# KiCad board E-Fidget.kicad_pcb
title: E-Fidget; date: 2022-8-1; rev: REV1; company: 2231puppy
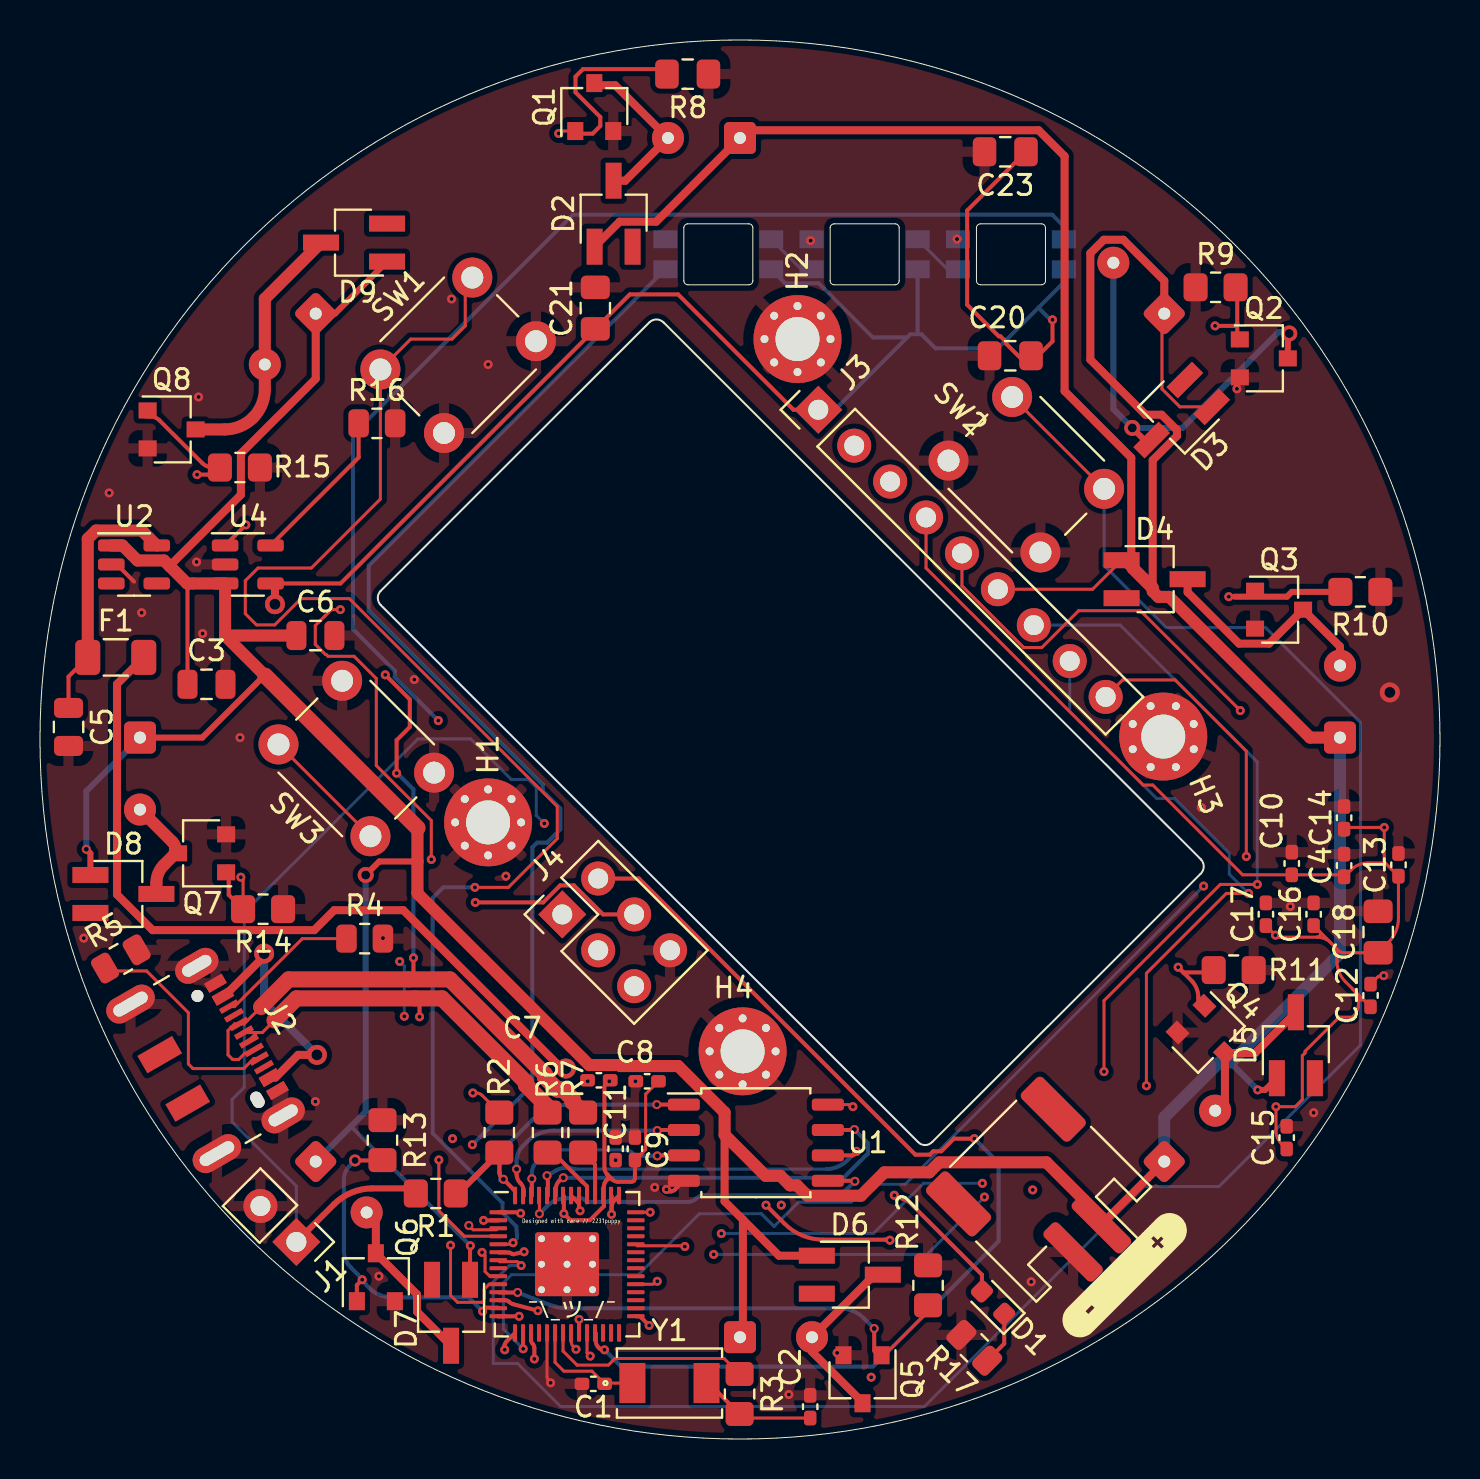
[diagram p0: board, top side]
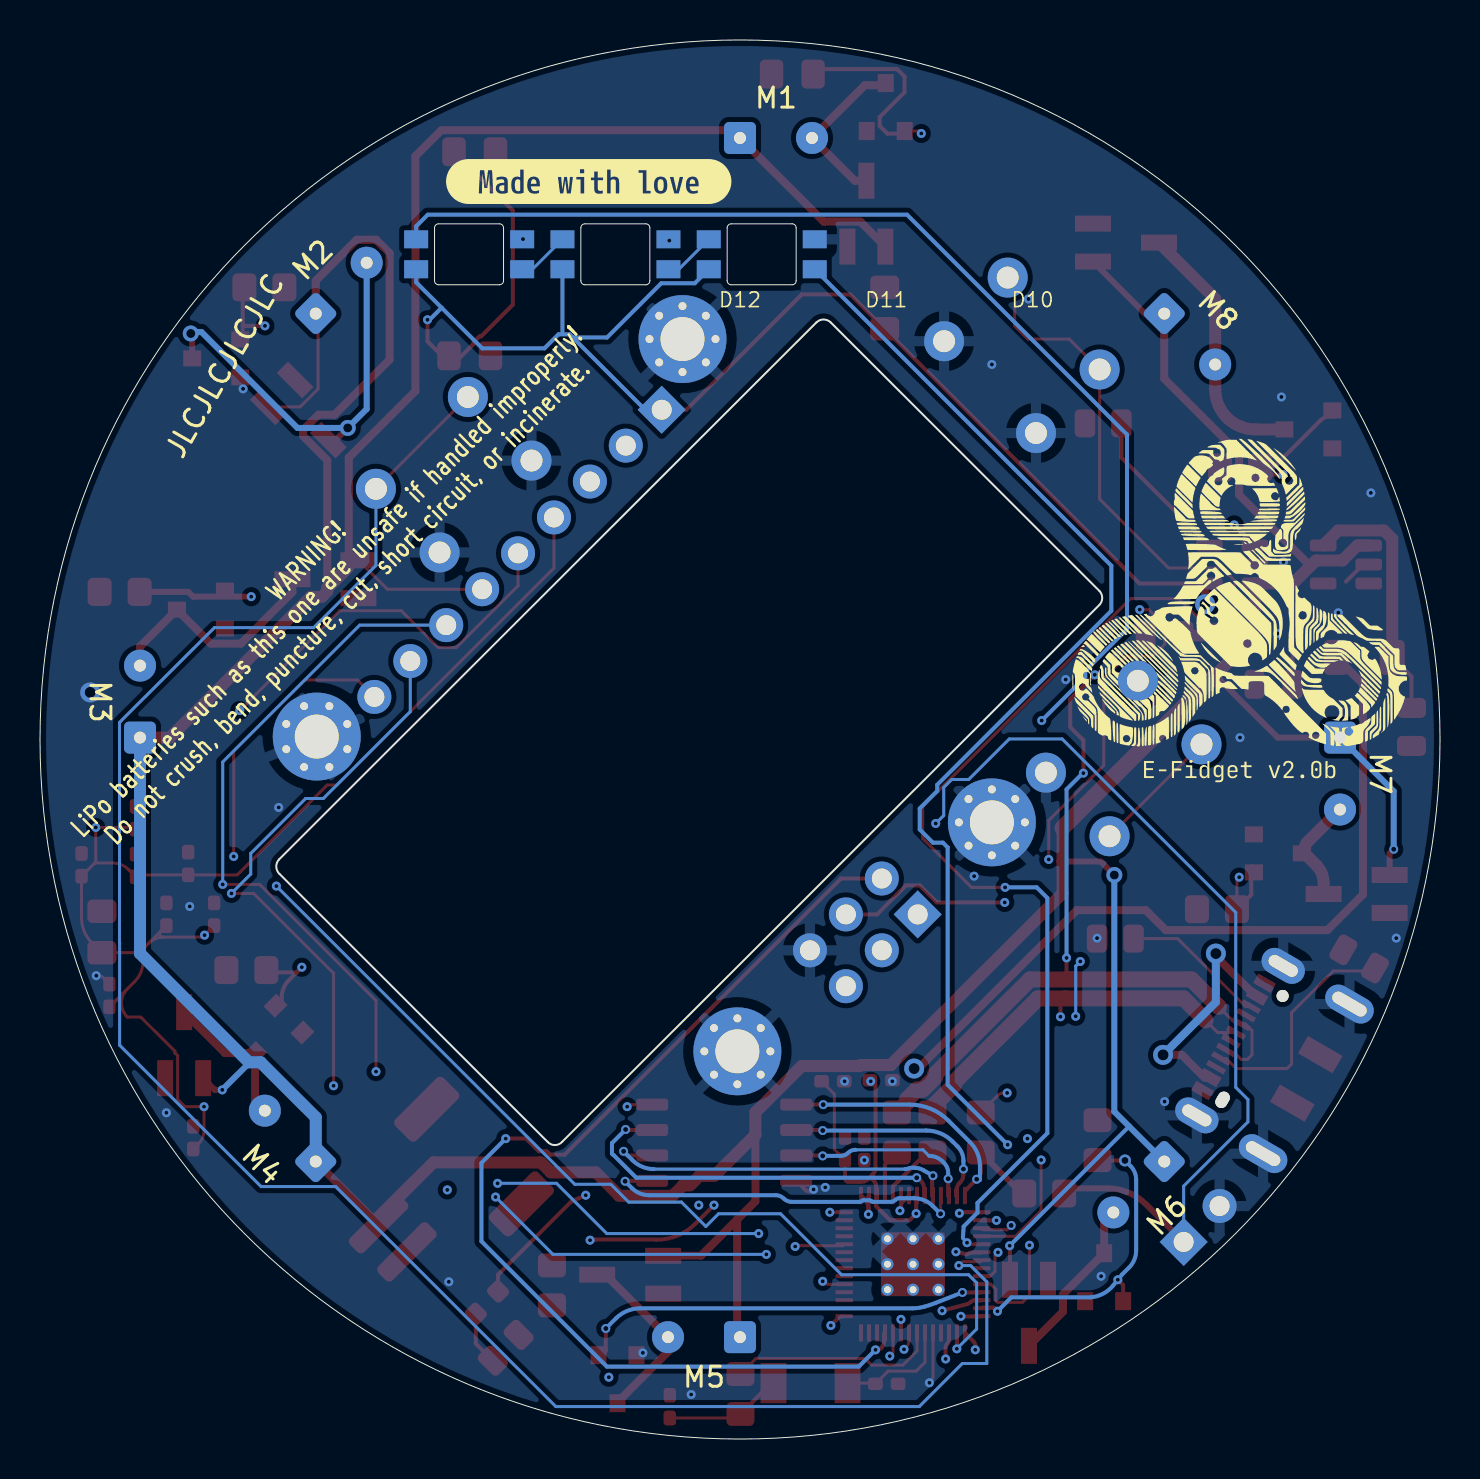
[diagram p1: board, bottom side, seen from below]

Outline 70 x 70 mm; copper layers: Top, In1.Cu, In2.Cu, Bottom. Coordinates in mm from the lower left corner of the outline.
Outline path: circle c35,35 r35 ; 17.03,42.43 30.46,55.87 arc(30.82,56.01) 31.18,55.87 58.05,29 arc(58.19,28.63) 58.02,28.27 44.62,14.87 arc(44.26,14.71) 43.89,14.87 17.04,41.72 arc(16.89,42.08) 17.03,42.43
Stack: Top 0.035mm / dielectric 0.28mm FR4 er 4.5 / In1.Cu 0.035mm / dielectric 0.28mm FR4 er 4.5 / In2.Cu 0.035mm / dielectric 0.28mm FR4 er 4.5 / Bottom 0.035mm

## Placement (name value [footprint] x y rotation side)
BT1  WAFER-PH2.0-2PWB  [JST_PH_S2B-PH-SM4-TB_1x02-1MP_P2.00mm_Horizontal]  50.35 12.08 225 top
C1  27p  [C_0402_1005Metric_Pad0.74x0.62mm_HandSolder]  27.66 2.76 180 top
C2  27p  [C_0402_1005Metric_Pad0.74x0.62mm_HandSolder]  38.51 1.62 90 top
C3  10u  [C_0805_2012Metric]  8.32 37.76 0 top
C4  100n  [C_0402_1005Metric_Pad0.74x0.62mm_HandSolder]  65.21 28.69 90 top
C5  10u  [C_0805_2012Metric]  1.43 35.63 270 top
C6  10u  [C_0805_2012Metric]  13.77 40.2 0 top
C7  100n  [C_0402_1005Metric_Pad0.74x0.62mm_HandSolder]  27.94 17.95 180 top
C8  100n  [C_0402_1005Metric_Pad0.74x0.62mm_HandSolder]  30.36 17.9 180 top
C9  1u  [C_0402_1005Metric_Pad0.74x0.62mm_HandSolder]  29.75 14.52 90 top
C10  100n  [C_0402_1005Metric_Pad0.74x0.62mm_HandSolder]  62.59 28.8 90 top
C11  1u  [C_0402_1005Metric_Pad0.74x0.62mm_HandSolder]  28.78 14.52 90 top
C12  100n  [C_0402_1005Metric_Pad0.74x0.62mm_HandSolder]  66.53 22.19 90 top
C13  100n  [C_0402_1005Metric_Pad0.74x0.62mm_HandSolder]  67.92 28.73 90 top
C14  100n  [C_0402_1005Metric_Pad0.74x0.62mm_HandSolder]  65.21 31.08 90 top
C15  100n  [C_0402_1005Metric_Pad0.74x0.62mm_HandSolder]  62.34 15.08 90 top
C16  100n  [C_0402_1005Metric_Pad0.74x0.62mm_HandSolder]  63.68 26.26 90 top
C17  100n  [C_0402_1005Metric_Pad0.74x0.62mm_HandSolder]  61.29 26.26 90 top
C18  10u  [C_0805_2012Metric_Pad1.18x1.45mm_HandSolder]  66.91 25.37 90 top
C20  1u  [C_0805_2012Metric_Pad1.18x1.45mm_HandSolder]  48.51 54.2 180 top
C21  1u  [C_0805_2012Metric_Pad1.18x1.45mm_HandSolder]  27.77 56.58 90 top
C23  1u  [C_0805_2012Metric_Pad1.18x1.45mm_HandSolder]  48.26 64.41 180 top
D1  IN-S63AT5A  [LED_0603_1608Metric]  47.65 6.83 135 top
D2  BAT54-7-F  [SC-59_Handsoldering_No_Pin3]  28.68 61.31 90 top
D3  BAT54-7-F  [SC-59_Handsoldering_No_Pin3]  56.75 51.15 225 top
D4  BAT54-7-F  [SC-59_Handsoldering_No_Pin3]  55.73 43.02 0 top
D5  BAT54-7-F  [SC-59_Handsoldering_No_Pin3]  62.79 19.7 90 top
D6  BAT54-7-F  [SC-59_Handsoldering_No_Pin3]  40.49 8.22 0 top
D7  BAT54-7-F  [SC-59_Handsoldering_No_Pin3]  20.55 6.32 270 top
D8  BAT54-7-F  [SC-59_Handsoldering_No_Pin3]  4.17 27.27 0 top
D9  BAT54-7-F  [SC-59_Handsoldering_No_Pin3]  15.7 59.86 180 top
D10  DNP  [NEO3535_REVERSE]  33.91 59.28 0 top
D11  DNP  [NEO3535_REVERSE]  41.23 59.28 0 top
D12  DNP  [NEO3535_REVERSE]  48.54 59.28 0 top
F1  0ZCJ0020FF2E  [Fuse_1206_3216Metric]  3.79 39.11 0 top
H1  DNP  [MountingHole_2.2mm_M2_Pad_Via]  22.41 30.85 90 top
H2  DNP  [MountingHole_2.2mm_M2_Pad_Via]  37.88 55.03 90 top
H3  DNP  [MountingHole_2.2mm_M2_Pad_Via]  56.16 35.15 112.5 top
H4  DNP  [MountingHole_2.2mm_M2_Pad_Via]  35.13 19.4 180 top
J1  Conn_01x02  [PinHeader_1x02_P2.54mm_Vertical]  12.82 9.86 225 top
J2  DX07S016JA1R1500  [USB_C_Receptacle_JAE_DX07S016JA1R1500]  7.68 18.6 300 top
J3  Conn_01x09_Female  [PinHeader_1x09_P2.54mm_Vertical]  38.91 51.5 45 top
J4  Conn_01x06_Female  [PinHeader_2x03_P2.54mm_Vertical]  26.11 26.25 45 top
kibuzzard-6387A879  G***  [kibuzzard-6387A879]  26.57 10.89 0 top
kibuzzard-63879D59  G***  [kibuzzard-63879D59]  26.6 6.42 0 top
kibuzzard-6302439D  G***  [kibuzzard-6302439D]  42.56 62.92 180 bottom
kibuzzard-6380080C  G***  [kibuzzard-6380080C]  54.23 8.2 225 top
M1  DNP  [SolderWire-0.1sqmm_1x02_P3.6mm_D0.4mm_OD1mm]  35 65.1 180 bottom
M2  DNP  [SolderWire-0.1sqmm_1x02_P3.6mm_D0.4mm_OD1mm]  56.21 56.31 135 bottom
M3  DNP  [SolderWire-0.1sqmm_1x02_P3.6mm_D0.4mm_OD1mm]  65 35.1 90 bottom
M4  DNP  [SolderWire-0.1sqmm_1x02_P3.6mm_D0.4mm_OD1mm]  56.21 13.88 45 bottom
M5  DNP  [SolderWire-0.1sqmm_1x02_P3.6mm_D0.4mm_OD1mm]  35 5.1 0 bottom
M6  DNP  [SolderWire-0.1sqmm_1x02_P3.6mm_D0.4mm_OD1mm]  13.79 13.88 315 bottom
M7  DNP  [SolderWire-0.1sqmm_1x02_P3.6mm_D0.4mm_OD1mm]  5 35.1 270 bottom
M8  DNP  [SolderWire-0.1sqmm_1x02_P3.6mm_D0.4mm_OD1mm]  13.79 56.31 225 bottom
Q1  DMG2302UK-7  [SC-59]  27.72 66.64 90 top
Q2  DMG2302UK-7  [SC-59]  61.19 54.07 0 top
Q3  DMG2302UK-7  [SC-59]  61.95 41.5 0 top
Q4  DMG2302UK-7  [SC-59]  58.4 20.16 315 top
Q5  DMG2302UK-7  [SC-59]  41.13 2.99 270 top
Q6  DMG2302UK-7  [SC-59]  16.79 8.1 90 top
Q7  DMG2302UK-7  [SC-59]  8.11 29.3 180 top
Q8  DMG2302UK-7  [SC-59]  6.58 50.51 0 top
R1  1k  [R_0805_2012Metric_Pad1.20x1.40mm_HandSolder]  19.79 12.29 180 top
R2  DNP  [R_0805_2012Metric_Pad1.20x1.40mm_HandSolder]  22.97 15.33 270 top
R3  1k  [R_0805_2012Metric_Pad1.20x1.40mm_HandSolder]  34.98 2.25 270 top
R4  5.1k  [R_0805_2012Metric]  16.23 25.04 0 top
R5  5.1k  [R_0805_2012Metric]  4.04 24.02 30 top
R6  27  [R_0805_2012Metric_Pad1.20x1.40mm_HandSolder]  25.38 15.33 270 top
R7  27  [R_0805_2012Metric_Pad1.20x1.40mm_HandSolder]  27.16 15.33 270 top
R8  10k  [C_0805_2012Metric_Pad1.18x1.45mm_HandSolder]  32.38 68.29 180 top
R9  10k  [R_0805_2012Metric_Pad1.20x1.40mm_HandSolder]  58.78 57.63 0 top
R10  10k  [R_0805_2012Metric_Pad1.20x1.40mm_HandSolder]  66.02 42.39 180 top
R11  10k  [R_0805_2012Metric_Pad1.20x1.40mm_HandSolder]  59.68 23.46 180 top
R12  10k  [R_0805_2012Metric_Pad1.20x1.40mm_HandSolder]  44.4 7.69 270 top
R13  10k  [R_0805_2012Metric_Pad1.20x1.40mm_HandSolder]  17.12 14.95 270 top
R14  10k  [R_0805_2012Metric_Pad1.20x1.40mm_HandSolder]  11.15 26.51 180 top
R15  10k  [R_0805_2012Metric_Pad1.20x1.40mm_HandSolder]  10 48.61 180 top
R16  5.1k  [R_0805_2012Metric]  16.84 50.82 0 top
R17  5.1k  [R_0805_2012Metric]  46.71 4.56 135 top
SW1  K2-1102DP-E4SW-04  [SW_PUSH_6mm]  17.02 53.51 45 top
SW2  K2-1102DP-E4SW-04  [SW_PUSH_6mm]  48.61 52.14 315 top
SW3  K2-1102DP-E4SW-04  [SW_PUSH_6mm]  16.52 30.16 135 top
U1  W25Q16JVSSIQ  [SOIC-8_5.23x5.23mm_P1.27mm]  35.79 14.83 0 top
U2  TPAP2112K-3.3TRG1  [SOT-23-5]  4.7 43.76 0 top
U3  RP2040  [RP2040-QFN-56]  26.35 8.75 0 top
U4  MCP73831T-2ACI/OT  [SOT-23-5]  10.39 43.76 0 top
Y1  445C25D12M00000  [445I23D12M00000]  31.47 2.8 0 top

## Library data of the parts
Y1 = -: Field4: *; Field5: 0.146in/3.705mm; Field6: 0.079in/2.007mm; Field7: 0.026in/0.65mm; Field8: Copyright 2021 Accelerated Designs. All rights reserved.; Field9: 0.051in/1.295mm; Field10: *

## Footprints (pads in the part's own frame, mm; a bottom-side part is the same pattern mirrored in y, then rotated)
445I23D12M00000
  rect 1.295x2.007 smd: 1(-1.852,0) 2(1.852,0)
C_0402_1005Metric_Pad0.74x0.62mm_HandSolder
  rrect 0.735x0.62 smd: 1(-0.568,0) 2(0.568,0)
C_0805_2012Metric
  rrect 1x1.45 smd: 1(-0.95,0) 2(0.95,0)
C_0805_2012Metric_Pad1.18x1.45mm_HandSolder
  rrect 1.175x1.45 smd: 1(-1.038,0) 2(1.038,0)
Fuse_1206_3216Metric
  rrect 1.25x1.75 smd: 1(-1.4,0) 2(1.4,0)
JST_PH_S2B-PH-SM4-TB_1x02-1MP_P2.00mm_Horizontal
  rrect 1x3.5 smd: 1(-1,2.85) 2(1,2.85)
  rrect 1.5x3.4 smd: GND(-3.35,-2.9) GND(3.35,-2.9)
LED_0603_1608Metric
  rrect 0.875x0.95 smd: 1(-0.788,0) 2(0.788,0)
MountingHole_2.2mm_M2_Pad_Via
  round 0.7 hole 0.4: 1(-1.65,0) 1(-1.167,1.167) 1(-1.167,-1.167) 1(0,1.65) 1(0,-1.65) 1(1.167,1.167) 1(1.167,-1.167) 1(1.65,0)
  round 4.4 hole 2.2: 1(0,0)
NEO3535_REVERSE
  rect 1.2x0.9 smd far side: 1-VDD(2.65,-0.75) 2-DOUT(2.65,0.75) 3-GND(-2.65,0.75) 4-DIN(-2.65,-0.75)
PinHeader_1x02_P2.54mm_Vertical
  rect 1.7x1.7 hole 1: 1(0,0)
  oval 1.7x1.7 hole 1: 2(0,-2.54)
PinHeader_1x09_P2.54mm_Vertical
  rect 1.7x1.7 hole 1: 1(0,0)
  oval 1.7x1.7 hole 1: 2(0,-2.54) 3(0,-5.08) 4(0,-7.62) 5(0,-10.16) 6(0,-12.7) 7(0,-15.24) 8(0,-17.78) 9(0,-20.32)
PinHeader_2x03_P2.54mm_Vertical
  rect 1.7x1.7 hole 1: 1(0,0)
  oval 1.7x1.7 hole 1: 2(2.54,0) 3(0,-2.54) 4(2.54,-2.54) 5(0,-5.08) 6(2.54,-5.08)
R_0805_2012Metric
  rrect 1.025x1.4 smd: 1(-0.912,0) 2(0.912,0)
R_0805_2012Metric_Pad1.20x1.40mm_HandSolder
  rrect 1.2x1.4 smd: 1(-1,0) 2(1,0)
RP2040-QFN-56
  rrect 1.084x1.084 smd: (-0.637,0.637) (-0.637,-0.637) (0.637,0.637) (0.637,-0.637)
  rrect 0.875x0.2 smd: 1(-3.438,2.6) 2(-3.438,2.2) 3(-3.438,1.8) 4(-3.438,1.4) 5(-3.438,1) 6(-3.438,0.6) 7(-3.438,0.2) 8(-3.438,-0.2) 9(-3.438,-0.6) 10(-3.438,-1) 11(-3.438,-1.4) 12(-3.438,-1.8) 13(-3.438,-2.2) 14(-3.438,-2.6) 29(3.438,-2.6) 30(3.438,-2.2) 31(3.438,-1.8) 32(3.438,-1.4) 33(3.438,-1) 34(3.438,-0.6) 35(3.438,-0.2) 36(3.438,0.2) 37(3.438,0.6) 38(3.438,1) 39(3.438,1.4) 40(3.438,1.8) 41(3.438,2.2) 42(3.438,2.6)
  rrect 0.2x0.875 smd: 15(-2.6,-3.438) 16(-2.2,-3.438) 17(-1.8,-3.438) 18(-1.4,-3.438) 19(-1,-3.438) 20(-0.6,-3.438) 21(-0.2,-3.438) 22(0.2,-3.438) 23(0.6,-3.438) 24(1,-3.438) 25(1.4,-3.438) 26(1.8,-3.438) 27(2.2,-3.438) 28(2.6,-3.438) 43(2.6,3.438) 44(2.2,3.438) 45(1.8,3.438) 46(1.4,3.438) 47(1,3.438) 48(0.6,3.438) 49(0.2,3.438) 50(-0.2,3.438) 51(-0.6,3.438) 52(-1,3.438) 53(-1.4,3.438) 54(-1.8,3.438) 55(-2.2,3.438) 56(-2.6,3.438)
  round 0.6 hole 0.35: 57(-1.275,1.275) 57(-1.275,0) 57(-1.275,-1.275) 57(0,1.275) 57(0,0) 57(0,-1.275) 57(1.275,1.275) 57(1.275,0) 57(1.275,-1.275)
  rrect 3.2x3.2 smd: 57(0,0)
SC-59
  rect 0.9x0.8 smd: 1(-1.2,0.95) 2(-1.2,-0.95) 3(1.2,0)
SC-59_Handsoldering_No_Pin3
  rect 1.8x0.8 smd: (-1.65,-0.95) 1(-1.65,0.95) 2(1.65,0)
SOIC-8_5.23x5.23mm_P1.27mm
  rrect 1.6x0.6 smd: 1(-3.6,1.905) 2(-3.6,0.635) 3(-3.6,-0.635) 4(-3.6,-1.905) 5(3.6,-1.905) 6(3.6,-0.635) 7(3.6,0.635) 8(3.6,1.905)
SolderWire-0.1sqmm_1x02_P3.6mm_D0.4mm_OD1mm
  rrect 1.6x1.6 hole 0.6: 1(0,0)
  round 1.6 hole 0.6: 2(3.6,0)
SOT-23-5
  rrect 1.325x0.6 smd: 1(-1.137,0.95) 2(-1.137,0) 3(-1.137,-0.95) 4(1.137,-0.95) 5(1.137,0.95)
SW_PUSH_6mm
  round 2 hole 1.1: 1(0,0) 1(6.5,0) 2(0,-4.5) 2(6.5,-4.5)
USB_C_Receptacle_JAE_DX07S016JA1R1500
  round 0.6 hole 0.6 unplated: (-3,1.95)
  rect 1x2 smd: (-1.4,-1.15) (1.4,-1.15)
  oval 0.85x0.6 hole 0.85x0.6 unplated: (3,1.95)
  rect 0.52x1 smd: A1(-3.1,3.05) A4(-2.35,3.05) A9(2.35,3.05) A12(3.1,3.05) B1(3.1,3.05) B4(2.35,3.05) B9(-2.35,3.05) B12(-3.1,3.05)
  rect 0.27x1 smd: A5(-1.75,3.05) A6(-0.25,3.05) A7(0.75,3.05) A8(1.75,3.05) B5(1.25,3.05) B6(0.25,3.05) B7(-0.75,3.05) B8(-1.25,3.05)
  oval 1.3x2.3 hole 0.6x1.6: S1(-4.32,2.675) S1(4.32,2.675)
  oval 1.3x2.6 hole 0.6x1.9: S1(-4.32,-1.15) S1(4.32,-1.15)

## Nets
+1V1: C7.1 C8.1 C9.1 J4.3 U3.23 U3.45 U3.50
+3V3: C4.1 C10.1 C11.1 C12.1 C13.1 C14.1 C15.1 C16.1 C17.1 C18.1 F1.2 J3.4 R2.1 U1.8 U3.1 U3.10 U3.22 U3.33 U3.42 U3.43 U3.44 U3.48 U3.49
+5V: C20.1 C21.1 C23.1 D10.1-VDD D11.1-VDD D12.1-VDD J2.A4 J2.A9 J2.B4 J2.B9 J3.1 U4.4
GND: BT1.2 C1.2 C2.2 C3.2 C4.2 C5.2 C6.2 C7.2 C8.2 C9.2 C10.2 C11.2 C12.2 C13.2 C14.2 C15.2 C16.2 C17.2 C18.2 C20.2 C21.2 C23.2 D10.3-GND D11.3-GND D12.3-GND H1.1 H2.1 H3.1 H4.1 J1.2 J2.A1 J2.A12 J2.B1 J2.B12 J2.S1 J4.6 Q1.2 Q2.2 Q3.2 Q4.2 Q5.2 Q6.2 Q7.2 Q8.2 R4.2 R5.2 R8.1 R9.1 R10.1 R11.1 R12.1 R13.1 R14.1 R15.1 R16.2 R17.2 SW1.2 SW2.2 SW3.2 U1.4 U2.2 U3.19 U3.57 U4.2
+BATT: BT1.1 C3.1 C6.1 D2.1 D3.1 D4.1 D5.1 D6.1 D7.1 D8.1 D9.1 J3.6 M1.1 M2.1 M3.1 M4.1 M5.1 M6.1 M7.1 M8.1 U2.1 U4.3
/GPIO0: J3.7 U3.2
/GPIO1: J3.8 U3.3
/GPIO2: J4.4 U3.4
/GPIO3: SW1.1 U3.5
/GPIO4: SW3.1 U3.6
/GPIO5: SW2.1 U3.7
/GPIO6: U3.8
/GPIO7: Q1.1 R8.2 U3.9
/GPIO8: Q5.1 R12.2 U3.11
/GPIO9: Q4.1 R11.2 U3.12
/GPIO10: Q6.1 R13.2 U3.13
/GPIO11: Q2.1 R9.2 U3.14
/GPIO12: Q7.1 R14.2 U3.15
/GPIO13: Q3.1 R10.2 U3.16
/GPIO14: Q8.1 R15.2 U3.17
/GPIO15: U3.18
/GPIO16: U3.27
/GPIO17: U3.28
/GPIO18: D10.4-DIN U3.29
/GPIO19: U3.30
/GPIO20: U3.31
/GPIO21: U3.32
/GPIO22: U3.34
/GPIO23: U3.35
/GPIO24: U3.36
/GPIO25: U3.37
/GPIO26_ADC0: J3.9 U3.38
/GPIO27_ADC1: U3.39
/GPIO28_ADC2: U3.40
/GPIO29_ADC3: U3.41
/PIXEL_OUT: D12.2-DOUT J4.1
/QSPI_SCLK: U1.6 U3.52
/QSPI_SD0: U1.5 U3.53
/QSPI_SD1: U1.2 U3.55
/QSPI_SD2: U1.3 U3.54
/QSPI_SD3: U1.7 U3.51
/QSPI_SS: R1.1 R2.2 U1.1 U3.56
/SWCLK: J3.5 U3.24
/SWD: J4.2 U3.25
/USB_D+: J2.A6 J2.B6 J3.2 R6.1
/USB_D-: J2.A7 J2.B7 J3.3 R7.1
/XIN: C1.1 U3.20 Y1.1
/XOUT: R3.1 U3.21
/~{USB_BOOT}: J1.1 J4.5 R1.2
Net-(C2-Pad1): C2.1 R3.2 Y1.2
Net-(C5-Pad1): C5.1 F1.1 U2.5
Net-(D1-Pad1): D1.1 R17.1
Net-(D1-Pad2): D1.2 U4.1
Net-(D2-Pad2): D2.2 M1.2 Q1.3
Net-(D3-Pad2): D3.2 M2.2 Q2.3
Net-(D4-Pad2): D4.2 M3.2 Q3.3
Net-(D5-Pad2): D5.2 M4.2 Q4.3
Net-(D6-Pad2): D6.2 M5.2 Q5.3
Net-(D7-Pad2): D7.2 M6.2 Q6.3
Net-(D8-Pad2): D8.2 M7.2 Q7.3
Net-(D9-Pad2): D9.2 M8.2 Q8.3
Net-(D10-Pad2-DOUT): D10.2-DOUT D11.4-DIN
Net-(D11-Pad2-DOUT): D11.2-DOUT D12.4-DIN
Net-(J2-PadA5): J2.A5 R4.1
Net-(J2-PadB5): J2.B5 R5.1
Net-(R6-Pad2): R6.2 U3.47
Net-(R7-Pad2): R7.2 U3.46
Net-(R16-Pad1): R16.1 U4.5

Pads without a net: BT1 GND; J2 A8 B8; U2 3 4; U3 26

## Via types
v1: diameter 1, hole 0.55, Top to Bottom, 5 vias
v2: diameter 0.45, hole 0.2, Top to Bottom, 104 vias
v3: diameter 0.8, hole 0.45, Top to Bottom, 3 vias
v4: diameter 0.45, hole 0.25, Top to Bottom, 16 vias
v5: diameter 0.6, hole 0.35, Top to Bottom, 1 via

## Routing (per net, layer and track width the routed paths; a pad name or vN(x,y) marks a point on that pad's centre or on a via; arc(x,y) is an arc through that point)
+1V1: length 30.4
  Top w0.15: C9.1 30.28,14.49 30.28,17.26 C8.1
  Top w0.2: U3.23 26.95,5.93 arc(26.95,5.94) 26.95,5.94 v2(26.95,5.99) ; 28.22,17.66 28.22,13.57 arc(28.26,13.39) 28.36,13.25 28.37,13.23 ; 28.37,12.99 28.34,12.96 28.3,12.92 28.23,12.8 28.2,12.67 28.2,11.65 27.49,10.95 26.52,10.95 v2(26.19,11.28) 26.19,12.17 ; 28.37,12.99 arc(28.42,13.11) 28.37,13.23 ; 28.37,12.99 arc(28.49,13.04) 28.61,12.99 ; 28.61,12.99 28.37,13.23 ; 28.61,12.99 arc(28.74,12.9) 28.9,12.87 29.57,12.87 arc(29.64,12.88) 29.7,12.92 arc(29.73,12.98) 29.75,13.04 29.75,13.56 arc(29.82,13.92) 30.03,14.23
  In2.Cu w0.2: v2(28.46,17.9) 27.91,18.45 J4.3 ; v2(26.95,5.99) 26.95,6.01 arc(26.94,6.05) 26.92,6.07 25.8,7.19 25.8,10.42 arc(25.83,10.76) 25.92,11.08 26.12,11.28 v2(26.19,11.28)
+3V3: length 131
  Top w0.15: v2(20.53,9.7) 20.53,7.19 20.88,6.84 22.13,6.84 22.21,6.93 22.21,7.5 22.46,7.75 U3.10 ; C15.1 62.07,14.78 arc(61.87,15.08) 61.8,15.43 v2(61.8,16.63) 62.76,16.63 63.12,16.99 63.12,19.18 63.26,19.32 63.26,19.41 64.96,21.11 65.63,21.11 65.7,21.18 65.81,21.34 65.88,21.52 65.92,21.71 65.93,21.81 ; 63.97,25.4 C16.1 ; 63.97,25.4 64.55,24.82 ; 63.97,25.4 arc(64.01,25.21) 63.85,25.11 ; 64.85,24.39 64.85,23.92 arc(64.96,23.35) 65.28,22.87 65.63,22.52 ; 64.85,24.39 arc(64.82,24.51) 64.75,24.62 ; 64.85,24.39 arc(64.88,24.44) 64.94,24.43 ; 65.29,30.6 v2(67.21,30.6) 67.21,28.91 arc(67.22,28.88) 67.24,28.85 ; 64.55,24.82 64.75,24.62 ; 64.55,24.82 arc(64.23,25.03) 63.85,25.11 ; v2(26.8,4.49) 26.68,4.61 arc(26.58,4.75) 26.55,4.91 U3.22 ; 64.94,24.43 64.75,24.62 ; 64.94,24.43 arc(65.05,24.36) 65.18,24.33 66.19,24.33 arc(66.85,24.46) 67.42,24.84 arc(67.79,25.4) 67.92,26.06 67.92,27.69 arc(67.84,28.13) 67.59,28.49 67.29,28.8 ; 65.63,22.52 66.22,21.93 ; 65.63,22.52 arc(65.85,22.19) 65.93,21.81 ; 66.22,21.93 C12.1 ; 66.22,21.93 arc(66.03,21.97) 65.93,21.81 ; 67.23,28.82 66.39,28.82 arc(65.94,28.73) 65.55,28.47 65.26,28.18 arc(65.21,28.16) 65.15,28.18 arc(65.1,28.22) 65.03,28.23 C10.1 60.13,28.23 55.64,32.72 55.16,32.72 44.3,43.58 J3.4 ; 67.23,28.82 arc(67.24,28.83) 67.24,28.85 ; 67.23,28.82 arc(67.26,28.82) 67.29,28.8 ; 67.29,28.8 67.24,28.85 ; U3.33 30.62,7.75 arc(30.71,7.77) 30.79,7.82 v2(30.86,7.89) ; 63.85,25.11 61.95,25.11 arc(61.88,25.12) 61.82,25.16 v2(61.77,25.21) C17.1 ; U1.8 40.75,16.73 ; v2(21.64,17.32) 21.81,17.32 arc(21.97,17.28) 22.1,17.2 R2.1 ; U3.42 30.61,11.35
  Top w0.2: v2(24.03,11.3) 23.98,11.35 U3.1 ; U3.49 26.88,11.86 arc(26.92,11.8) 26.95,11.73 26.95,11.47 ; U3.43 28.77,12 arc(28.63,11.79) 28.58,11.55 v2(28.58,11.25) 28.58,12.14 arc(28.58,12.16) 28.57,12.17 U3.44 ; U3.48 26.95,11.47 ; 26.95,11.47 v2(27,11.42) 26.95,11.47
  Top w0.4: F1.2 3.85,37.77 3.85,27.24 5.63,25.46 13.71,25.46 14.71,26.46 18.16,26.46 26.09,18.54 v1(26.29,18.54)
  In1.Cu w0.15: v2(24.03,11.3) 24.03,11.63 23.46,12.2 21.31,12.2 20.96,11.85 20.96,10.13 v2(20.53,9.7) 20.63,9.8 v2(20.63,15.03)
  vias: v2(28.78,13.95) v2(30.51,11.35) v2(40.64,16.63)
+5V: length 111.5
  Top w0.2: v2(50.63,56) 50.63,54.92 49.55,53.85 49.26,53.85 48.31,54.8 48.31,54.88 48.02,55.17 47.94,55.17 46.36,56.75 46.36,61.46 C23.1 ; J3.1 37.68,51.5 31.91,57.27 29.49,57.27 C21.1 15.03,42.81 U4.4
  Top w0.4: U4.4 11.75,42.59 v1(11.75,41.77) ; J2.A9 11.77,18.09 12.91,19.22 v1(13.85,19.22) ; v1(11.21,24.29) 11.21,24.15 9.21,22.16 J2.A4
  In1.Cu w0.4: v1(11.75,41.77) 10.58,40.6 10.58,34.2 10.61,34.16 10.61,24.88 v1(11.21,24.29)
  Bottom w0.2: 43.36,55.11 41.65,55.11 38.94,57.83 37.26,57.83 D10.1-VDD ; 43.36,55.11 39.74,51.5 J3.1 ; 43.36,55.11 43.52,55.27 44.08,55.27 44.78,54.57 47.89,54.57 49.92,56.6 ; D11.1-VDD 43.88,55.37 ; v2(50.63,56) 50.52,56 49.92,56.6 ; 49.92,56.6 51.19,57.88 D12.1-VDD
  Bottom w0.4: v1(13.85,19.22) 11.21,21.86 v1(11.21,24.29)
GND: length 6
  Top w0.15: U3.19 25.35,3.12 arc(25.38,3) 25.44,2.9 v2(25.53,2.81) ; v2(67.19,23.18) 67.07,23.18 arc(66.96,23.16) 66.87,23.1 C12.2
  Top w0.2: v2(31.32,12.49) 31.42,12.39 31.56,12.39 arc(31.67,12.42) 31.76,12.49 U1.4 ; U2.2 3.84,43.76 4.7,42.9
  vias: v1(67.49,37.36) v2(2.19,25.06) v2(3.46,47.34) v2(5.08,41.34) v2(7.83,43.88) v2(7.93,52.14) v2(8.13,40.3) v2(10,35.1) v2(13.77,16.88) v2(16.95,8.15) v2(17.15,25.06) v2(18.71,38) v2(20.58,57.04) v2(22.41,53.76) v2(23.3,28.16) v2(27.38,17.9) v2(29.77,17.9) v2(30.74,12.59) v2(37.44,2.23) v2(38.54,59.96) v2(39.86,4.31) v2(45.85,60.04) v2(49.56,7.87) v2(58.06,31.6) v2(59.85,52.55) v2(62.51,26.65) v2(63.68,16.33)
+BATT: length 294.8
  Top w0.15: D3.1 56.99,51.64 56.1,52.54 56.1,56.11 arc(56.11,56.19) 56.16,56.25 M2.1 ; J3.6 52.63,42.52 D4.1
  Top w0.2: v2(21.52,9.67) 21.5,9.66 D7.1 ; 7.66,42.81 7.37,42.52 C3.1
  Top w0.3: D5.1 61.26,17.47 v2(60.89,17.47) ; v3(16.29,28.22) 16.96,28.9 18.88,28.9 ; M7.1 8.11,35.1 11.21,38.19 11.26,38.19 ; v4(2.32,29.51) 2.52,29.3 2.52,28.22 ; D9.1 14.75,56.31 M8.1
  Top w0.4: D6.1 36.95,9.17 35.14,10.98 ; BT1.1 53.11,10.78 M4.1 ; 34.23,15.22 34.23,11.89 35.14,10.98 ; 35.14,10.98 35.14,5.24 M5.1 ; 55.91,42.14 54.56,43.49 54.56,49.1 51.23,52.43 51.23,64.18 49.93,65.48 35.39,65.48 M1.1 30.81,60.91 28.98,60.91 D2.1 ; M8.1 13.79,53.05 10.05,49.31 10.05,47.25 6.48,43.68 ; M2.1 56.21,57.96 54.17,60 53.19,60 52.52,59.33 52.52,54.01 55.27,51.25 56.08,51.25 56.85,50.48 56.85,50.19 55.64,48.98 55.64,42.42
  Top w0.6: 9.25,40.2 U4.3 7.35,42.81 6.2,43.96 4.88,43.96 4.13,44.71 U2.1 ; 9.25,40.2 9.26,40.2 C6.1 ; 9.25,40.2 11.26,38.19 ; D4.1 54.27,43.97 55.64,42.6 55.64,42.42 55.91,42.14 56.46,42.14 63.5,35.1 M3.1 ; 18.88,30.57 18.88,27.3 27.46,18.71 28.97,18.71 29.03,18.66 31.91,18.66 34.23,16.34 34.23,15.22 36.28,13.17 37.03,13.17 37.5,12.69 37.85,12.69 38.37,12.17 41.05,12.17 42.22,13.34 44.47,13.34 44.97,13.84 50.32,13.84 53.07,11.1 BT1.1
  Top w0.8: 11.26,38.19 18.88,30.57
  Bottom w0.2: v2(21.52,9.67) 15.55,15.64
  Bottom w0.3: v3(16.29,28.22) 16.29,16.38 M6.1 ; v2(60.89,17.47) 59.56,18.8 59.56,18.85 ; v4(2.32,29.51) 2.32,32.41 M7.1
  Bottom w0.6: M4.1 56.21,16.1 58.97,18.85 59.56,18.85 65,24.3 M3.1
/GPIO0: length 70.8
  Top w0.15: v2(60.86,27.75) 59.01,27.75 53.2,21.93 v2(53.2,18.38)
  Top w0.2: v2(22.18,10.94) 22.95,10.94
  In1.Cu w0.15: v2(22.18,10.94) 23.63,10.94 23.91,10.66 28.02,10.66 28.86,9.82 30.08,9.82 30.69,9.21 32.08,9.21 32.26,9.04 32.82,9.04 v2(34.07,10.28) ; v2(47.12,12.79) 47.25,12.92 48.7,12.92 53.2,17.43 v2(53.2,18.38)
  Bottom w0.15: v2(60.86,27.75) 60.86,33.87 54.02,40.72 J3.7 ; v2(34.07,10.28) 41.66,10.28 44.17,12.79 v2(47.12,12.79)
/GPIO1: length 68.8
  Top w0.15: 22.84,10.47 21.66,10.47 v4(21.44,10.69) ; v2(60.43,27.3) 59.31,27.3 55.32,23.31 v2(55.32,17.68)
  In1.Cu w0.15: v4(21.44,10.69) 21.77,10.36 23.85,10.36 24.71,9.5 28.5,9.5 29.26,8.74 33.18,8.74 v2(33.68,9.24) ; v2(55.32,17.68) 55.32,16.76 54.88,16.32 52.75,16.32 49.2,12.77 49.05,12.77 48.16,11.88 47.45,11.88 v2(47.22,12.11)
  Bottom w0.15: v2(47.22,12.11) 44.35,9.24 v2(33.68,9.24) ; J3.8 51.49,36.39 55.83,32.05 56.71,32.05 59.46,29.3 59.46,28.26 v2(60.43,27.3)
/GPIO2: length 29.6
  Top w0.15: U3.4 21.22,10.15 19.94,11.42 v2(19.94,13.96)
  Top w0.2: J4.4 28.15,26.25 26.7,27.7 26.01,27.7 25.16,26.85 v2(21.76,26.85)
  In2.Cu w0.15: v2(19.94,13.96) 19.94,26.7 20.09,26.85 v2(21.76,26.85)
/GPIO3: length 73.9
  Top w0.15: SW1.1 21.26,57.76 21.26,55.7 20.6,55.03 18.54,55.03 SW1.1 17.02,47.03 13.57,43.58 10.9,43.58 10.27,42.94 10.27,41.29 10.82,40.73 11.74,40.73 13.05,42.05 15.46,42.05 25.86,31.65 25.86,30.04 23.42,27.6 v2(21.75,27.6) ; U3.5 23.57,9.75 v2(23.65,9.82)
  Bottom w0.15: v2(23.65,9.82) 23.85,10.03 23.85,10.1
  Bottom w0.2: 23.85,10.1 23.82,10.64 23.13,11.33 23.13,11.81 19.63,15.3 19.63,27.07 20.16,27.6 v2(21.75,27.6)
/GPIO4: length 35
  Top w0.15: SW3.1 SW3.1
  Top w0.2: v2(24.2,9.37) 23.68,9.25 arc(23.62,9.25) 23.57,9.28 arc(23.52,9.32) 23.46,9.33 22.96,9.33
  In2.Cu w0.15: SW3.1 19.67,30.16 21.53,28.3 22.41,28.3 22.69,28.03 22.69,27.8
  In2.Cu w0.2: 22.69,27.8 22.69,9.7 23.22,9.16 23.98,9.16 v2(24.2,9.37)
/GPIO5: length 101.4
  Top w0.15: U3.7 22.99,8.87 23.87,8.87 v2(24.06,8.68) ; SW2.1 SW2.1
  Bottom w0.15: SW2.1 53.2,43.71 56.31,40.6 61.28,40.6 66.02,35.85 66.02,24.84 66.02,24.83 66.02,19.7 58.95,12.63 55.21,12.63 44.21,1.63 26.04,1.63 23.89,3.78 22.66,3.78 22.66,7.87 23.47,8.68 v2(24.06,8.68)
/GPIO7: length 77.5
  Top w0.15: Q1.1 26.06,65.44 v2(25.94,65.32) ; U3.9 22.49,8.15 22.25,8.38 22.25,9.19 v2(22.1,9.34)
  Top w0.2: R8.2 31.1,68.54 27.15,68.54 26.78,68.17 26.78,67.38 28.02,66.14 28.02,65.7 27.63,65.31 27.07,65.31
  In1.Cu w0.15: v2(17.99,23.89) 17.99,32.48 13.86,36.6 13.86,53.25 v2(25.94,65.32) ; v2(22.1,9.34) 21.86,9.1 20.13,9.1 19.54,9.7 19.54,13.35 18.22,14.67 v2(18.22,21.15)
  Bottom w0.15: v2(17.99,23.89) 18.22,23.67 v2(18.22,21.15)
/GPIO8: length 24.2
  Top w0.15: 41.78,4.32 42.33,4.32 44.4,6.39 R12.2
  Top w0.2: v4(23.88,7.33) 23.88,7.33 arc(23.88,7.33) 23.87,7.33 22.96,7.33 ; v4(41.71,5.53) 41.71,4.43 arc(41.72,4.39) 41.74,4.35
  Bottom w0.2: v4(41.71,5.53) 41.21,6.04 arc(40.65,6.41) 39.99,6.54 26.38,6.54 arc(26.09,6.56) 25.79,6.62 arc(25.51,6.71) 25.23,6.81 v4(23.88,7.33)
/GPIO9: length 48.5
  Top w0.2: v2(24.9,6.42) 23.66,6.74 arc(23.56,6.79) 23.46,6.86 arc(23.37,6.92) 23.26,6.95 U3.12 ; v2(42.5,9.95) 42.32,9.95 42.29,9.98 arc(42.26,9.98) 42.24,9.98 39.15,9.98 arc(38.11,10.18) 37.23,10.77 v2(36.3,11.7) ; R11.2 58.62,23.4 arc(58.58,23.37) 58.54,23.35 57.19,23.35 57.18,23.34 v2(56.91,23.61) 56.91,23.6 57.62,22.89 arc(57.84,22.51) 57.92,22.08 57.92,21.56
  In1.Cu w0.2: v2(36.3,11.7) 36.3,11.25 36.3,11.14 36.26,10.92 36.17,10.72 36.05,10.54 35.98,10.46 32.88,7.37 32.77,7.26 32.53,7.07 32.27,6.91 32,6.78 31.71,6.68 31.41,6.61 31.11,6.57 30.96,6.57 28.77,6.57 28.56,6.57 28.15,6.63 27.86,6.92 25.4,6.92 v2(24.9,6.42) ; v2(42.5,9.95) 42.5,10.95 43.21,11.66 43.21,12.48 53.27,22.54 arc(54.16,23.13) 55.2,23.34 55.47,23.61 v2(56.91,23.61)
/GPIO10: length 16.5
  Top w0.2: v2(22.13,6.39) 22.31,6.57 22.89,6.57 U3.13 ; v5(15.75,13.94) 17.1,13.94 arc(17.11,13.94) 17.12,13.95 R13.2 ; Q6.1 15.84,7.7 v2(16.11,7.97)
  Bottom w0.2: v2(22.13,6.39) 21.43,7.09 17.45,7.09 arc(16.83,7.28) 16.34,7.69 v2(16.11,7.97) 15.9,8.22 15.55,8.58 arc(15.29,8.97) 15.19,9.44 15.19,12.98 arc(15.27,13.35) 15.47,13.66 v5(15.75,13.94)
/GPIO11: length 80.1
  Top w0.2: 59.86,55.84 59.86,57.48 arc(59.85,57.54) 59.82,57.58 R9.2 ; 59.86,55.84 59.86,55.72 ; 59.86,55.84 arc(59.85,55.79) 59.82,55.74 ; v2(58.75,55.7) 59.72,55.7 arc(59.77,55.71) 59.82,55.74 ; 59.86,55.72 59.86,54.72 ; 59.86,55.72 arc(59.85,55.74) 59.82,55.74 ; U3.14 22.91,6.14 arc(22.91,6.14) 22.91,6.14 v2(23.96,6.14)
  In1.Cu w0.15: 27.84,6.19 27.84,5.51 27.44,5.1 25.91,5.1 25.08,5.93
  In1.Cu w0.2: 27.84,6.19 31.49,6.15 arc(32.53,6.35) 33.41,6.94 36.28,9.81 arc(36.87,10.69) 37.08,11.73 ; v2(23.96,6.14) 24.07,6.03 arc(24.2,5.94) 24.35,5.91 25.04,5.91 arc(25.06,5.92) 25.08,5.93
  In2.Cu w0.2: v2(37.06,11.7) 37.34,11.43 44.56,11.43 49.31,16.18 49.31,17.25 58.75,26.7 v2(58.75,55.7)
/GPIO12: length 34.7
  Top w0.15: R14.2 10.15,28 v2(10.04,28.11)
  Top w0.2: 9.44,28.65 9.44,27.23 R14.2 ; v2(23.24,4.46) 23.22,4.48 23.22,4.67 arc(23.26,4.79) 23.33,4.89 U3.15
  In2.Cu w0.15: v2(23.24,4.46) 23.06,4.64 22.25,4.64 19.38,7.51 19.38,18.77 v2(10.04,28.11)
/GPIO13: length 69.1
  Top w0.2: v2(24.16,4.51) 24.16,4.52 arc(24.15,4.52) 24.15,4.53 U3.16 ; v2(59.44,42.15) 59.74,42.15
  Top w0.3: R10.2 62.59,42.39 62.35,42.15 59.74,42.15
  In1.Cu w0.15: v2(58.18,27.67) 59.56,29.05 59.56,42.02 v2(59.44,42.15)
  Bottom w0.15: v2(24.16,4.51) 23.17,5.5 23.17,7.82 23.57,8.22 24.86,8.22 24.86,8.22 29.92,8.22 32.97,11.27 36.07,11.27 36.71,10.64 37.93,11.85 40.57,11.85 41.46,12.74 43.26,12.74 v2(58.18,27.67)
/GPIO14: length 59.8
  Top w0.2: v2(24.72,4.01) 24.72,4.56 arc(24.7,4.67) 24.64,4.76 arc(24.57,4.86) 24.55,4.96 U3.17 ; 5.25,51.16 5.51,51.16 arc(5.76,51.12) 5.96,50.98 8.1,48.84 arc(8.36,48.67) 8.66,48.61 8.74,48.61 arc(8.84,48.54) 8.82,48.43 arc(8.62,48.3) 8.39,48.25 v2(7.85,48.25)
  In2.Cu w0.2: v2(7.85,48.25) 9.53,46.58 9.53,16.66 22.16,4.02 23,4.02 23.04,3.99 23.43,3.99 23.45,4.01 v2(24.72,4.01)
/GPIO18: length 76.3
  Top w0.2: v2(30.46,5.68) 30.07,6.07 arc(29.99,6.13) 29.89,6.15 U3.29
  In2.Cu w0.2: v2(30.46,5.68) 30,5.23 22.43,5.23 19.92,7.74 19.92,10 21.62,11.7 v2(21.62,14.72)
  Bottom w0.2: v2(21.62,14.72) 24.62,17.72 24.62,29.6 24.86,29.84 25.35,29.84 26.01,30.5 26.01,31.55 25.14,32.42 25.14,32.73 16.43,41.44 16.43,43.7 D10.4-DIN
/GPIO26_ADC0: length 71.6
  Top w0.15: U3.38 29.86,9.67 32.2,9.67 v2(32.24,9.63) ; J3.9 54.13,37.98 56.76,37.98 60.31,34.42 v2(60.31,29.15)
  In1.Cu w0.15: v2(32.24,9.63) 30.82,9.63 30.69,9.77 30.69,10.66 32.34,12.31 37.18,12.31 37.52,11.97 37.52,9.7 37.98,9.24 46.41,9.24 v2(49.64,12.46)
  In2.Cu w0.15: v2(49.64,12.46) 49.64,16.04 52.67,19.08 52.67,19.35 52.48,19.54 52.21,19.54 49.64,16.96 49.64,17.12 59.08,26.56 59.08,27.91 v2(60.31,29.15)
/PIXEL_OUT: length 69.8
  In1.Cu w0.2: J4.1 26.11,30.61 20.78,35.95 v2(19.91,35.95)
  Bottom w0.2: D12.2-DOUT 51.19,60.68 50.61,61.26 26.65,61.26 15.65,50.26 15.65,40.52 17.74,38.43 17.74,38.12 v2(19.91,35.95)
/QSPI_SCLK: length 18.4
  Top w0.2: 25.39,12.17 25.39,12.82 arc(25.39,12.94) 25.37,13.06 v4(25.35,13.18) ; U1.6 40.61,14.19 arc(40.7,14.22) 40.77,14.29 v4(40.82,14.39)
  Bottom w0.15: 26.76,13.51 26.76,13.5 39.3,13.5 39.3,13.51
  Bottom w0.2: v4(25.35,13.18) 25.83,13.45 arc(26.02,13.53) 26.23,13.57 26.34,13.58 arc(26.44,13.57) 26.55,13.54 arc(26.65,13.52) 26.76,13.51 ; v4(40.82,14.39) 40.38,13.95 arc(39.88,13.62) 39.3,13.51
/QSPI_SD0: length 18.7
  Top w0.15: U3.53 24.96,12.17 arc(24.97,12.16) 24.97,12.15 v4(24.97,11.27)
  Top w0.2: U1.5 40.7,12.92 arc(40.72,12.92) 40.73,12.91 v4(40.75,12.9)
  Bottom w0.2: v4(40.75,12.9) 40.4,12.55 arc(40.01,12.29) 39.56,12.2 33.22,12.2 arc(33,12.16) 32.81,12.03 arc(32.63,11.91) 32.41,11.87 29.01,11.87 arc(28.96,11.88) 28.92,11.91 arc(28.87,11.94) 28.82,11.95 28.54,11.95 arc(28.49,11.94) 28.44,11.91 arc(28.4,11.88) 28.35,11.87 27.46,11.87 arc(27.34,11.89) 27.24,11.96 arc(27.14,12.03) 27.02,12.05 26.3,12.05 arc(25.79,11.95) 25.36,11.66 v4(24.97,11.27)
/QSPI_SD1: length 11
  Top w0.2: v4(30.86,15.44) 30.88,15.45 arc(30.89,15.46) 30.91,15.46 32.19,15.46 ; v4(23.83,13.51) 23.83,13.25 arc(23.88,13.01) 24.01,12.81 24.03,12.79 arc(24.15,12.61) 24.19,12.4 24.19,12.17
  Bottom w0.2: v4(23.83,13.51) 23.83,13.92 arc(23.91,14.31) 24.13,14.64 24.38,14.89 arc(24.98,15.29) 25.69,15.44 v4(30.86,15.44)
/QSPI_SD2: length 9.4
  Top w0.2: v4(24.59,13.02) 24.59,12.17 ; U1.3 30.91,14.19 arc(30.89,14.19) 30.88,14.18 v4(30.86,14.17)
  Bottom w0.15: 29.23,14.47 25.85,14.47 25.54,14.17
  Bottom w0.2: v4(24.59,13.02) 24.59,13.32 arc(24.64,13.59) 24.8,13.81 24.87,13.89 arc(25.18,14.09) 25.54,14.17 ; v4(30.86,14.17) 29.96,14.17 arc(29.76,14.21) 29.59,14.32 arc(29.43,14.43) 29.23,14.47
/QSPI_SD3: length 19.6
  Top w0.2: v4(40.72,15.49) 40.71,15.47 arc(40.69,15.46) 40.68,15.46 39.39,15.46 ; v4(26.17,13.07) 26.14,13.07 arc(26.12,13.07) 26.1,13.06 25.95,12.91 arc(25.84,12.74) 25.79,12.53 25.79,12.17
  Bottom w0.2: v4(40.72,15.49) 41.4,14.8 41.4,14.28 41.34,14.21 41.32,14.21 40.18,13.07 v4(26.17,13.07)
/QSPI_SS: length 16.3
  Top w0.2: v4(30.84,16.73) U1.1 ; U3.56 23.75,12.3 arc(23.73,12.41) 23.67,12.5 v4(23.17,13) 23.07,13.1 arc(22.99,13.21) 22.97,13.34 22.97,13.77 arc(22.82,13.98) 22.56,13.93
  Top w0.3: 22.56,13.93 20.96,12.33 arc(20.91,12.3) 20.85,12.29 R1.1
  Bottom w0.2: 23,12.96 23,13.66 arc(23.13,14.3) 23.5,14.85 24.58,15.93 arc(25.46,16.52) 26.51,16.73 v4(30.84,16.73)
/SWCLK: length 78.7
  Top w0.15: J3.5 46.1,42.69 49.19,39.6 50.09,39.6 51.93,41.45 55.02,41.45 v2(60.01,36.45) ; v2(27.51,4.15) 27.35,4.31 U3.24
  In1.Cu w0.15: v2(41.56,3.09) 43.66,3.09 61.31,20.75 61.31,35.15 v2(60.01,36.45)
  In2.Cu w0.2: v2(41.56,3.09) 28.57,3.09 v2(27.51,4.15)
/SWD: length 54.2
  Top w0.2: v2(28.22,4.46) 28.13,4.46 arc(28.05,4.48) 27.98,4.53 27.92,4.59 arc(27.83,4.73) 27.79,4.89 27.79,5.29 ; v2(46.71,15.03) 45.7,15.03 45.06,14.4 44.66,14.4 44.49,14.23 43.77,14.23 29.95,28.04 J4.2
  Bottom w0.2: v2(46.71,15.03) 47.93,13.82 47.93,9.89 41.66,3.63 29.06,3.63 v2(28.22,4.46)
/USB_D+: length 79.7
  Top w0.15: J2.B6 10.45,19.94 10.85,20.34 ; 11.72,20.95 11.12,20.34 10.85,20.34 ; v2(19.56,29) 19.56,30.95 16.81,33.7 16.81,38.05 15.7,39.16 14.4,39.16 14.31,39.25 14.27,39.25 13.76,39.76 13.76,40.7 14.56,41.5 v2(15.01,41.5) ; 10.85,20.34 J2.A6
  Top w0.2: v2(18.98,21.13) 18.98,21.81 18.74,22.05
  Top w0.8: 11.72,20.95 12.83,22.05 20.1,22.05 24.3,17.85 24.3,17.71 25.38,16.63 R6.1
  In1.Cu w0.15: J3.2 39.19,49.7 32.09,56.8 30.21,56.8 15.01,41.61 v2(15.01,41.5)
  In2.Cu w0.15: v2(18.98,21.13) 19.56,21.71 v2(19.56,29)
/USB_D-: length 80.6
  Top w0.15: 10.26,19.31 9.94,18.99 9.63,18.99 9.4,19.22 9.4,20.44 9.73,20.77 J2.B7 10.21,20.77 11.05,21.62
  Top w0.2: v2(18.67,24.07) 18.67,23.23 18.44,23 ; v2(17.83,33.32) 17.83,34.97 18.49,35.62 18.49,37.01 v2(17.26,38.24)
  Top w0.8: 11.05,21.62 12.43,23 20.49,23 25.24,18.25 25.24,18.1 25.86,17.49 26,17.49 26.01,17.48 26.16,17.48 26.63,17.02 26.63,16.86 R7.1
  In1.Cu w0.2: J3.3 40.26,47.91 31.69,56.47 30.34,56.47 16.43,42.57 16.43,41.63 17.26,40.8 v2(17.26,38.24)
  Bottom w0.2: v2(17.83,33.32) 17.86,33.32 18.67,32.5 v2(18.67,24.07)
/XIN: length 5.8
  Top w0.15: Y1.1 28.27,2.8 C1.1 27.6,3.4 26.19,3.4 25.75,3.84 U3.20
/XOUT: length 10.5
  Top w0.15: R3.1 34.21,4.03 28.75,4.03 28.42,3.7 26.85,3.7 26.15,4.4 U3.21
/~{USB_BOOT}: length 59.6
  Top w0.3: J1.1 14.7,11.74 arc(15.58,12.33) 16.62,12.54 18.36,12.54 arc(18.52,12.51) 18.66,12.41 R1.2
  In2.Cu w0.2: v2(25.21,30.8) 25.21,26.9 24.66,26.35 24.66,25.65 25.52,24.8 26.7,24.8 27.46,25.55 28.61,25.55 29.71,24.45 29.71,24.44 J4.5
  Bottom w0.15: J1.1 12.82,12.65 9.6,15.87 9.6,16.99 10.21,17.6 10.21,26.35 18.89,35.03 21.54,35.03 23.56,33 24.41,33 24.81,32.6 24.81,31.2 v2(25.21,30.8)
Net-(C2-Pad1): length 5.9
  Top w0.15: C2.1 35.18,1.05 R3.2
  Top w0.2: Y1.2 33.38,2.8 arc(33.43,2.79) 33.47,2.76 R3.2
Net-(C5-Pad1): length 12.8
  Top w0.2: C5.1 1.43,38.15 F1.1
  Top w0.6: F1.1 2.39,45.04 2.8,45.46 5.09,45.46 U2.5
Net-(D1-Pad1): length 2.7
  Top w0.2: D1.1 48.21,4.77 R17.1
Net-(D1-Pad2): length 56.5
  Top w0.2: v2(10.29,45.74) 10.29,45.74 U4.1 ; D1.2 47.1,8.22 43.44,11.88 v2(42.71,12.2)
  In2.Cu w0.2: v2(42.71,12.2) 42.65,12.99 42.46,13.18 42.46,15.72 12.45,45.74 v2(10.29,45.74)
Net-(D2-Pad2): length 8
  Top w0.4: 28.12,67.73 28.76,67.73 M1.2 29.26,62.96 D2.2
Net-(D3-Pad2): length 21
  Top w0.3: v3(62.46,55.31) 62.39,55.24 Q2.3 ; D3.2 55.22,49.98 v3(54.61,50.59)
  Bottom w0.3: M2.2 53.67,51.54 v3(54.61,50.59) 57.13,50.59 61.93,55.39 62.39,55.39 v3(62.46,55.31)
Net-(D4-Pad2): length 11.8
  Top w0.4: M3.2 65,39.65 Q3.3 61.45,39.8 59.95,39.8 57.38,42.37 D4.2
Net-(D5-Pad2): length 7.5
  Top w0.4: M4.2 59.25,16.92 Q4.3 60.75,19.31 D5.2
Net-(D6-Pad2): length 9.2
  Top w0.4: Q5.3 41.13,1.84 38.6,4.37 M5.2 41.73,8.22 D6.2
Net-(D7-Pad2): length 8.4
  Top w0.4: M6.2 16.79,10.88 16.79,9.3 18.85,7.24 18.85,6.37 D7.2
Net-(D8-Pad2): length 5.3
  Top w0.6: D8.2 5.82,27.81 arc(5.92,28.31) 6.2,28.73 6.63,29.16 arc(6.74,29.32) 6.78,29.51 arc(6.74,29.7) 6.63,29.87 M7.2
Net-(D9-Pad2): length 13
  Top w0.6: 7.91,50.51 9.23,50.51 arc(10,50.67) 10.65,51.1 arc(11.09,51.76) 11.24,52.52 M8.2 11.24,57.05 D9.2
Net-(D10-Pad2-DOUT): length 2.6
  Bottom w0.15: D11.4-DIN 38.06,58.53 D10.2-DOUT
Net-(D11-Pad2-DOUT): length 2.6
  Bottom w0.15: D11.2-DOUT 45.38,58.53 D12.4-DIN
Net-(J2-PadA5): length 7.3
  Top w0.15: J2.A5 9.72,21.64 13.12,25.04 15.32,25.04 R4.1
Net-(J2-PadB5): length 11.5
  Top w0.15: R5.1 3.4,23.42 5.33,23.42 7.42,21.33 7.42,18.76 7.65,18.53 10.19,18.53 10.69,19.04 J2.B5
Net-(R6-Pad2): length 3.5
  Top w0.15: R6.2 25.5,14.33 arc(25.62,14.31) 25.72,14.25
  Top w0.2: R6.2 25.65,14.33 27.11,12.87 27.13,12.87 27.35,12.65 U3.47
Net-(R7-Pad2): length 2.4
  Top w0.2: R7.2 27.75,13.74 U3.46
Net-(R16-Pad1): length 7.9
  Top w0.2: R16.1 15.93,49.11 U4.5

## Copper pours and planes (outline as drawn; the poured copper is in the pictures)
+3V3 on In2.Cu: 80.97,73.77 84.43,48.64 85.24,48.72 50.8,-16.26 -16.66,22.58 15.75,79.58
GND on Top, Bottom, In1.Cu: 81.03,73.71 84.48,48.59 85.29,48.67 50.8,-16.34 -16.61,22.53 15.8,79.53

## Text on the board
B.Silkscreen: WARNING! / LiPo batteries such as this one are unsafe if handled improperly! / Do not crush, bend, puncture, cut, short circuit, or incinerate. | JLCJLCJLCJLC
